# KiCad board SHVC-CPU-01.kicad_pcb (continued)
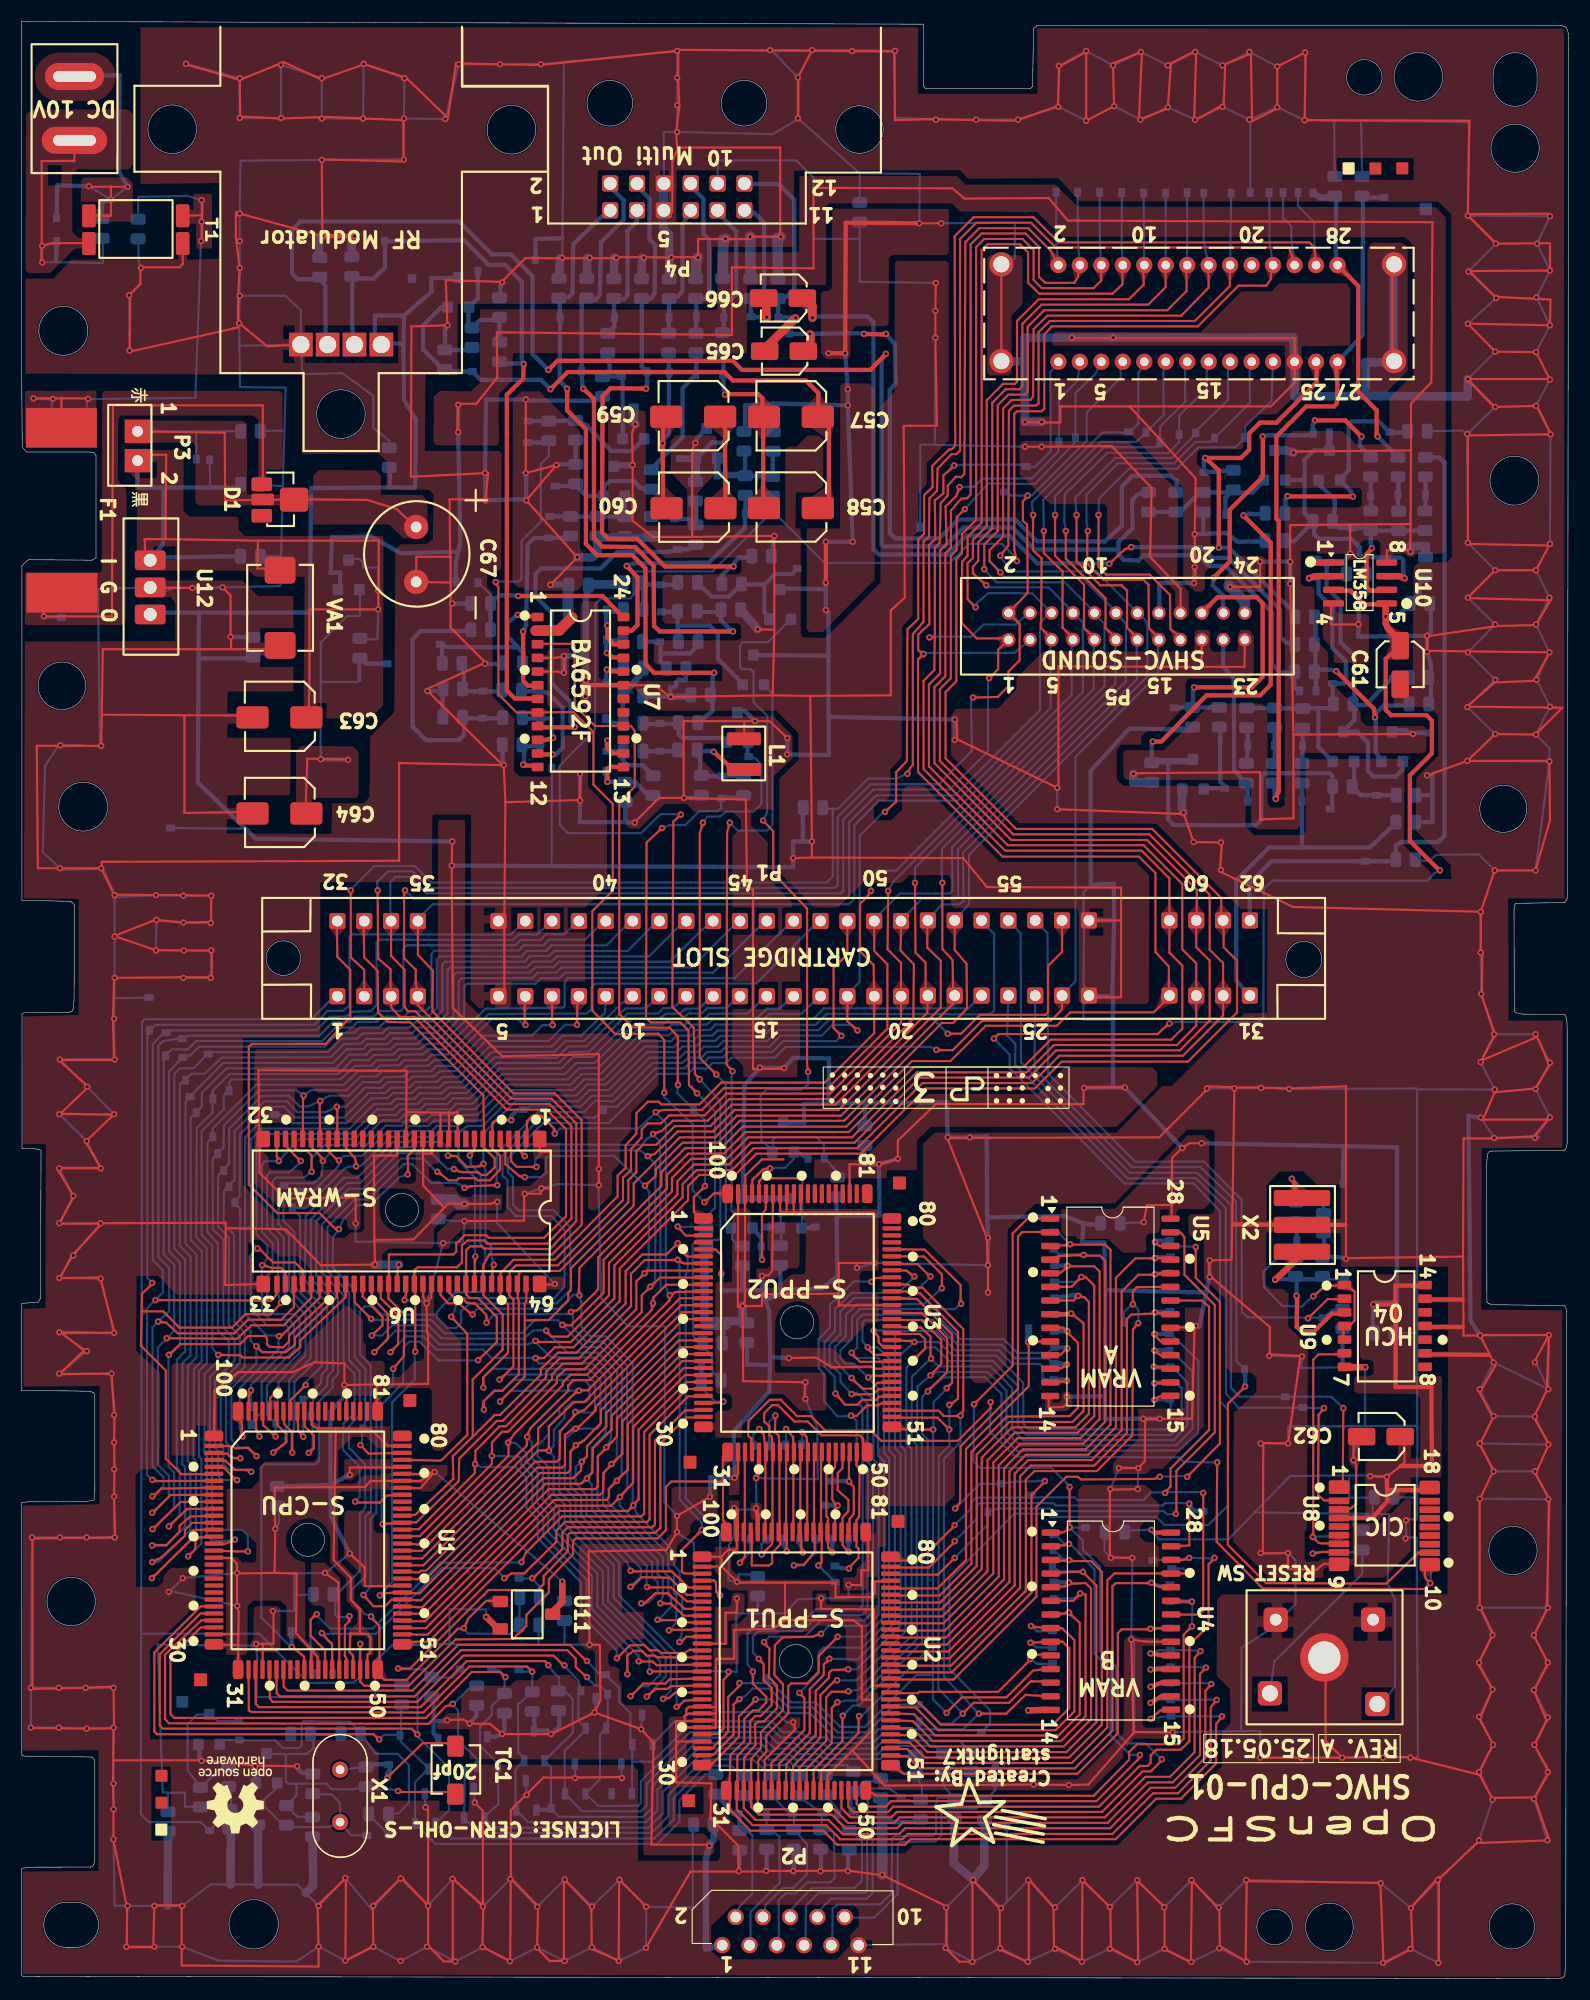
[diagram p0: board, top side]
## Routing (per net, layer and track width the routed paths; a pad name or vN(x,y) marks a point on that pad's centre or on a via; arc(x,y) is an arc through that point) (continued)
Net-(Q6-C): length 14.2
  Bottom w0.4: 61.13,125.96 R15.2 ; 61.13,125.96 R13.2 ; 61.13,125.96 64.12,125.96 64.88,125.21 64.88,122.84 67.21,120.51 67.21,120.27 ; TP35.1 61.02,127.25
Net-(Q8-C): length 14.3
  Bottom w0.4: 69.18,129.79 67.83,129.79 67.13,129.81 ; 69.18,129.79 69.2,129.76 69.2,127.23 69.44,126.98 69.44,126.78 Q8.1 ; 69.18,129.79 69.22,129.79 70.2,130.76 71.83,130.76 71.98,130.99 TP37.1 ; R18.1 65.87,128.64 64.29,128.64 R20.1
Net-(Q9-B): length 12.4
  Bottom w0.4: TP50.1 R22.1 R23.1 52.65,144.61 54.9,142.24 56.8,142.19 57.5,142.86 57.98,143.35
Net-(Q9-E): length 9.2
  Bottom w0.4: R24.1 54.78,149.61 54.78,150.14 54.75,151.07 ; 55.99,148.93 56,148.36 56,144.21 Q9.1 ; TP23.1 54.5,149.13
Net-(Q10-B): length 10.5
  Bottom w0.4: R30.1 R31.2 44.03,154.41 42.71,154.41 42.15,153.85 41.95,153.85 ; 42.5,158.44 42.53,156.44 42.08,155.99 41.53,155.38 41.63,155.29 41.63,154.02 C12.1
Net-(Q11-B): length 11.4
  Bottom w0.4: R39.2 67.4,142.1 67.4,139.95 R38.1 R100.1 69.98,139.86 69.98,142.14 C17.2
  Bottom w0.6: R38.1 67.36,139.98 64.83,139.98 TP46.1 64.81,141.55
Net-(Q12-B): length 8.7
  Bottom w0.4: 51.16,136.04 51.22,136.1 56.1,136.1 ; 56.19,136.18 56.17,138.03 ; TP62.1 R43.1
Net-(Q12-E): length 10.7
  Bottom w0.4: 58.5,138.56 57.6,138.79 57.08,139.41 54.83,139.41 54.33,139.04 Q12.1 52.65,138.04 52.3,138.34 R45.2 51.44,138.96 49.7,138.96 TP52.1
Net-(Q13-B): length 7
  Bottom w0.4: TP75.1 112.08,111.02 111.66,111.44 111.66,115.44 111.68,115.46 111.68,116.13 ; 111.58,110.81 110.83,110.81 110.12,110.82
Net-(Q15-B): length 6.5
  Bottom w0.4: 124.11,113.3 124.13,112.64 124.13,111.84 124.13,111.23 ; R59.2 124.75,110.16 TP72.1 C54.2
Net-(Q16-E): length 14.2
  Bottom w0.4: 112.87,138.32 114.68,138.36 Q16.1 ; R66.2 112.14,137.86 112.14,136.34 TP95.1 ; 107.78,136.45 107.87,136.45 109.78,138.36 R58.1 112.33,138.36 ; R67.2 R68.2 ; 115.82,139.5 115.48,139.31

## Copper pours and planes (outline as drawn; the poured copper is in the pictures)
+5V on Top: 76.68,37.36 77.58,37.36 77.8,37.62 77.8,38.09 77.9,38.23 78.59,38.91 78.62,41.4 79.52,41.41 79.6,41.51 79.59,42.66 79.52,42.74 78.66,42.73 78.58,42.79 78.63,47.5 79.58,47.51 79.86,47.83 79.86,49.34 80.16,49.58 86.69,49.56 86.96,49.29 86.94,44.97 85.94,43.97 80.65,43.98 80.56,43.86 80.55,40.27 80.48,40.17 79.87,40.17 79.78,39.98 79.79,37.53 79.7,37.39 78.87,37.38 78.77,37.29 78.77,36.37 78.56,36.14 76.6,36.11 76.55,36.26 76.54,37.28
+5V on Top: 98.38,84.86 105.31,84.84 105.79,84.36 105.79,84.33 105.8,83.08 102.01,79.29 84.69,79.29 83.45,78.05 83.42,77.97 83.39,77.97 83.42,75.37 83.35,75.25 80.7,75.25 80.62,75.19 80.6,74.55 80.56,74.49 73.91,74.51 73.81,74.58 73.84,76.19 73.89,76.27 78.32,76.25 78.45,76.3 84.41,82.3 84.49,82.36 94.64,82.35 97.17,84.87
+5V on Top: 108.63,78.51 110.13,78.51 110.63,78.01 110.65,72.12 110.13,71.63 107.82,71.63 107.71,71.53 107.57,71.33 107.58,70.96 106.89,70.93 106.88,71.61 106.08,71.61 106.02,69.59 105.78,69.36 105.03,69.36 104.77,69.12 104.78,67.81 104.53,67.56 102.58,67.56 101.23,68.86 98.38,68.81 98.18,69.11 97.28,69.11 96.88,69.46 96.88,71.66 101.83,71.66
+5V on Top: 124.68,65.56 129.88,65.56 129.88,64.81 129.93,64.71 130.48,64.71 130.48,64.21 129.78,64.21 129.73,56.06 132.23,56.06 132.33,55.96 132.28,46.76 132.18,46.66 129.53,46.66 129.43,46.56 129.43,45.96 130.53,45.96 130.53,45.16 128.98,45.16 126.43,42.61 122.88,42.61 122.88,43.11 125.08,43.11 125.18,43.21 125.18,47.96 125.63,48.36 128.03,48.26 128.23,48.61 128.23,50.26 129.48,50.26 129.43,48.51 129.58,48.41 130.13,48.41 130.28,48.51 130.28,54.01 129.93,54.41 124.43,54.46 124.13,54.71 124.13,55.81 124.33,56.06 125.58,56.06 125.94,56.34 125.95,57.33 125.68,57.61 124.93,57.61 124.68,57.91
+5V on Top: 28.23,38.71 29.73,37.21 29.75,29.6 29.49,29.61 29.48,32.06 29.43,32.11 28.85,32.11 28.75,32.2 28.75,32.58 28.73,32.66 28.28,33.11 28.28,33.21 28.27,34.38 28.09,34.59 27.94,34.68 27.33,34.7 27.23,34.72 27.05,34.83 26.98,34.98 26.98,38.66 27.04,38.71
+5V on Top: 21.87,34.66 23.68,34.69 23.88,34.66 24.02,34.52 24.12,34.39 24.13,30.7 23.87,30.38 22.65,30.39 22.56,30.21 22.57,29.62 22.32,29.62 22.32,30.23 22.27,30.35 22.17,30.38 21.86,30.39 21.6,30.64 21.33,30.78 21.34,31.25 21.62,31.66 21.63,34.47
+5V on Top: 38.93,107.86 41.28,107.86 41.33,107.81 41.31,91.05 44.42,87.96 54.58,87.96 55.03,87.46 59.13,87.46 59.33,87.26 59.34,83.19 56.78,80.61 56.77,78.89 55.75,77.76 55.72,75.86 55,75.02 55,73.03 53.55,71.54 52.98,71.51 52.78,71.76 52.73,79.91 49.73,82.91 45.88,82.96 38.78,90.06 38.81,107.77
+5V on Top: 75.06,34.82 79.79,34.76 79.78,27.45 79.84,27.38 79.95,27.37 80.16,27.37 80.18,27.1 80.08,27.06 79.85,27.05 79.75,26.97 79.7,26.95 79.27,26.95 79.17,26.98 79.09,27.1 79.05,27.2 79.06,33.29 78.33,34.05 78.26,34.06 74.07,34.06 73.97,34.12 73.96,35.74 74.03,35.84 74.12,35.87 74.85,35.86 74.93,35.83 74.97,35.78 74.95,34.91
+5V on Top: 72.18,70.41 72.38,70.26 72.43,70.21 72.48,70.06 72.48,66.41 72.38,66.26 72.23,66.11 71.23,66.11 69.93,64.86 68.44,64.86 68.48,66.06 68.53,66.11 69.48,66.11 69.73,66.36 69.73,67.66 69.48,67.91 69.5,70.35 69.53,70.41 69.78,70.41 69.88,70.51 70.08,70.51 70.18,70.41
+5V on Top: 30.28,43.56 32.51,43.54 32.73,43.41 32.8,43.31 32.8,41.84 32.89,41.67 33.1,41.5 34.05,41.49 34.32,41.29 34.31,36.81 34.34,36.7 34.47,36.66 34.71,36.67 34.73,36.4 31.86,36.42 31.65,36.6 31.59,36.72 31.61,37.67 30.1,39.18 30.04,39.34 30.06,43.29
+5V on Top: 66.08,45.01 66.79,45.01 66.83,45.04 66.87,45.08 66.87,45.1 66.87,47.5 66.84,47.62 66.85,48.32 66.56,48.32 66.56,47.91 66.4,47.76 66.28,47.66 66.19,47.59 66.14,47.57 65.87,47.56 65.89,45.11 65.91,45.06 65.95,45.03 65.98,45.01
+5V on Top: 70.88,58.71 75.5,58.72 76.83,57.43 77.33,57.43 77.53,57.19 77.79,57.13 78.06,57.08 79.19,57.08 79.49,56.91 80.56,56.91 80.58,56.66 79.48,56.65 79.2,56.79 78.03,56.79 77.59,56.69 75.3,56.69 75.09,56.91 75.02,56.94 70.82,56.96 70.74,57.04 70.75,58.65 70.78,58.71
+5V on Top: 30.08,48.36 34.29,48.34 34.33,48.29 34.35,47.8 34.41,47.73 34.67,47.74 34.69,47.43 34.3,47.43 34.26,47.39 31.81,47.39 30.79,46.41 30.69,46.36 30.59,46.36 30.41,46.37 30.12,46.54 30.05,46.63 30.08,48.31
+5V on Top: 52.38,128.21 53.58,128.21 53.78,127.96 53.78,121.16 54.03,120.86 54.08,120.81 54.73,120.81 54.98,120.66 55.43,120.66 55.53,120.71 57.07,120.68 57.23,120.78 57.23,120.16 54.83,120.16 54.73,118.01 54.63,117.81 54.53,117.76 53.08,117.81 53.03,117.81 52.03,118.81 52.08,127.91 52.08,127.96
+5V on Top: 93.43,143.16 103.13,143.11 107.68,138.56 107.73,138.46 107.68,130.21 107.73,130.11 108.73,129.11 108.73,126.86 108.53,126.66 107.58,126.66 107.48,126.76 107.48,129.16 104.18,132.46 104.18,133.66 104.13,133.76 103.98,133.91 103.88,133.96 101.43,133.96 101.33,134.01 101.13,134.21 101.13,136.96 101.03,137.11 100.88,137.26 95.83,137.26 92.98,140.06 92.98,142.86 93.23,143.11 93.38,143.16
+5V on Top: outline of 96 points within 13.98,48.67 40.97,64.34
+5V on Top: 40.93,71.23 44.84,71.23 45.11,71.51 45.14,73.51 45.37,73.76 47.37,73.77 48.65,75.02 48.69,75.12 48.69,76.22 48.61,76.33 47.75,76.32 47.67,76.4 47.67,77.81 50.1,77.82 50.17,77.77 50.13,71.27 50.13,71.22 48.37,69.45 43.85,69.46 43.52,69.72 41.06,69.74 39.98,68.72 39.96,68.22 39.91,68.11 39.81,68.02 39.74,67.97 39.64,67.93 39.11,67.92 38.98,67.97 38.88,68.08 38.79,68.15 38.73,68.23 38.72,68.48 38.74,69.45 40.53,71.23 40.94,71.24
+5V on Top: 71.7,24.34 71.9,24.34 72.1,24.31 72.28,24.29 72.45,24.3 72.52,24.27 72.54,24.24 72.55,23.43 70.15,21.07 69.74,21.07 69.78,22.42 71.64,24.33
+5V on Top: outline of 114 points within 21.57,69.71 42.57,88.53
+5V on Top: 48.93,121.96 48.98,122.01 49,122.05 49.03,122.61 48.95,122.74 48.33,122.74 48.33,123.21 48.93,123.21 49,123.27 49.03,123.62 49.28,123.86 50.98,123.86 51.03,123.76 51.03,118.61 50.93,118.41 50.78,118.31 50.68,118.26 49.33,118.26 49.23,118.31 49.03,118.51 48.98,118.61 48.98,121.41 48.93,121.46 48.33,121.46 48.33,121.96
+5V on Top: 64.81,34.6 65.84,34.59 66.08,34.8 66.12,34.91 66.11,35.48 66.14,35.63 66.24,35.79 66.37,35.88 66.6,35.94 66.78,35.92 66.92,35.87 67.01,35.86 67.23,35.85 67.33,35.82 67.36,35.65 67.36,34.09 67.34,34.05 66.6,33.34 66.02,33.34 65.91,33.33 65.87,33.28 65.83,33.25 65.83,31.1 65.78,31.05 64.17,31 64.17,31.27 64.53,31.27 64.59,31.35 64.58,34.49 64.65,34.59
+5V on Top: outline of 123 points within 54.63,90.73 105.05,159.91 ; 2 cut-outs
+5V on Top: outline of 135 points within 38.67,11.47 64.85,45.78
+5V on Bottom: outline of 89 points within 46.3,23.31 77.75,76.11
+5V on Bottom: 115.2,159.41 113.63,159.39 113.68,158.19 92.8,158.19 91.74,157.2 89.7,157.22 89.24,157.73 89.22,161.55 88.53,162.31 78.33,162.33 78.33,163.26 77.82,163.26 77.8,162.31 76.83,162.33 76.8,166.91 73.02,170.69 64.12,170.72 63.84,170.49 63.88,166.55 64.3,166.36 65.78,166.36 65.89,166.56 65.9,168.15 66.09,168.35 71.21,168.37 72.73,166.91 72.75,157.28 74.54,155.43 79.86,155.42 82.2,153.04 82.16,135.91 83.38,135.88 83.37,134.73 84.04,134.69 84,135.82 85.88,135.84 85.94,136.02 85.99,141.68 94.55,141.7 95.37,142.39 95.35,142.99 94.88,143.47 89.5,143.48 88.77,144.36 88.75,154.21 89.44,154.87 92.31,154.89 93.86,156.4 114.75,156.46 115.21,157 115.19,159.01
+5V on Bottom: 53.65,31.56 52.88,32.34 51.13,32.36 51.13,33.46 50.18,33.46 50.1,31.71 50,31.56 48.58,31.61 48.55,32.14 48.08,32.14 48.1,31.71 47.95,31.59 40.65,31.61 40.4,31.86 40.4,33.64 40.6,33.89 42.25,33.86 42.85,33.19 43.08,33.06 43.4,33.09 43.65,33.24 43.75,33.49 43.7,36.96 42.95,37.69 39.4,37.69 32,30.29 32,27.74 31.23,27.01 26.4,27.04 22.35,31.06 22.28,31.46 21.88,31.61 11.75,31.59 11.65,31.54 11.63,16.74 11.8,16.61 13.18,16.59 13.18,15.81 13.98,15.81 13.98,16.51 14.93,16.51 14.93,15.66 16.13,15.64 16.13,16.39 15.55,16.39 15.55,18.59 14.9,19.19 14.9,24.74 14.03,24.74 13.95,24.81 13.95,26.74 18.5,26.74 18.53,24.84 18.63,24.74 24.58,24.71 24.63,24.56 24.63,23.36 25.35,23.34 25.33,24.39 25.4,24.49 34.13,24.49 34.13,25.96 34.15,27.01 35.03,27.01 35,27.54 34.08,27.54 34.03,29.26 34.55,29.81 50.85,29.81 51.58,30.61 53.58,30.59 53.65,30.69
+5V on Bottom: outline of 107 points within 62.81,43.26 82.39,77.21
+5V on Bottom: 27.55,47.36 25.23,47.34 25.15,47.29 25.18,46.26 25.1,46.09 24.08,46.09 24.08,45.56 25.05,45.59 25.18,45.49 25.18,43.09 25.25,42.96 25.35,42.81 25.48,42.79 27.03,42.79 27.3,42.71 27.65,42.56 28.05,42.31 28.28,42.09 28.43,41.86 28.63,41.46 28.7,41.16 28.75,40.71 28.7,40.29 28.63,39.91 28.08,39.21 27.75,38.99 27.45,38.84 27.05,38.69 23.35,38.69 22.88,38.16 22.85,33.96 22.98,33.76 23.05,33.66 23.28,33.61 26.1,33.64 26.15,33.69 26.15,35.39 27.03,35.39 27.03,36.16 26.18,36.19 26.18,36.91 29.8,37.04 31,38.19 30.98,43.06 30.2,43.86 30.2,44.86 31,45.64 31,47.36 29.45,48.89 29.48,51.94 30.5,52.96 30.5,55.51 30.3,55.74 30.23,55.76 29.75,55.74 29.5,55.51 29.5,54.71 28.23,53.44 28.2,47.86 27.73,47.36
+5V on Bottom: 60.29,120.62 59.33,120.63 59.12,120.44 59.06,120.37 59.04,120.3 59.03,119.65 58.95,119.61 58.91,119.58 58.19,119.57 58.18,119.14 58.91,119.15 58.97,119.06 59.04,119 59.05,118.37 59.09,118.28 59.26,118.12 59.36,118.07 61.04,118.07 61.13,118.14 61.18,118.23 61.25,118.37 61.25,119.12 61.9,119.11 61.9,119.64 61.54,119.65 61.55,120.36 62.28,120.35 62.28,121.39 61.69,121.39 61.71,121.12 61.07,121.12 60.56,120.63 60.52,120.62 60.44,120.62
+5V on Bottom: 128.7,61.56 128.68,80.32 107.82,80.39 104.48,83.65 104.51,108.14 102.49,110.21 102.46,114.21 104.22,116 107.83,116 107.82,117.45 107.73,117.53 106.63,117.54 106.59,117.58 106.55,117.63 106.53,119.04 108.56,121.12 110.08,121.09 110.08,123.59 108.82,123.61 98.68,113.47 98.68,98.96 99.18,99.06 99.15,99.71 100.41,99.71 100.41,99 100.17,99 100.15,98.18 100.49,98.18 100.46,97.45 99.18,97.47 99.18,97.96 98.68,98.06 98.68,91.96 99.18,92.06 99.15,92.64 100.44,92.61 100.46,92.51 100.46,91.88 100.17,91.85 100.17,91.11 100.44,90.98 100.44,90.27 99.15,90.27 99.18,90.96 98.68,91.01 98.68,90.56 98.41,90.33 96.18,90.3 96.15,84.44 103.77,76.79 110.24,76.82 110.5,76.74 114.44,72.72 114.44,67.65 117.1,67.6 117.25,67.81 117.25,75.17 117.36,75.27 122.88,75.27 122.88,74.38 123.37,74.4 123.37,75.24 124.19,75.22 124.43,74.88 124.43,61.56 125.42,61.56 125.45,60.9 126.4,60.87 126.4,61.5 126.42,61.53 128.68,61.56
+5V on Bottom: 116.73,47.29 111.05,41.66 105.95,41.74 105.53,42.29 103.5,42.26 103.53,40.99 104.05,40.99 105,39.96 113.8,39.94 113.93,40.06 113.88,41.39 113.98,41.49 119.25,41.44 119.73,41.94 124.4,41.99 124.38,42.59 124.4,42.66 126.18,42.74 126.18,41.94 125.28,41.94 125.28,41.46 126.2,41.41 126.18,36.01 127.45,34.81 127.45,31.76 125.18,29.51 125.2,26.24 125.85,26.24 125.8,27.96 126.9,27.91 126.95,24.71 127.7,24.66 128.45,25.54 128.45,37.26 127.88,37.86 127.88,43.41 126.08,43.39 126.08,44.36 125.6,44.36 125.58,43.46 124.88,43.46 124.88,44.49 125.78,44.49 125.78,45.26 124.6,45.24 124.6,46.06 128.43,46.01 128.43,47.29
+5V on Bottom: 111.13,71.29 108.85,73.49 103.76,73.48 103.53,73.29 103.45,70.73 102.68,70.74 102.7,69.71 110.6,69.69 111.12,70.21
+5V on Bottom: 64.13,15.06 63.93,14.86 63.98,13.16 63.88,12.81 63.38,12.81 63.33,12.71 63.28,2.46 63.33,2.36 66.33,2.36 66.33,4.16 65.53,4.91 65.58,12.31 65.03,12.81 64.96,15.03
+5V on Bottom: 51.78,125.76 50.17,125.77 49.87,125.53 49.83,121.33 49.82,121.14 52.12,118.88 52.22,118.82 52.66,118.79 52.85,118.93 52.93,119.09 52.92,128.44 52.9,129.19 52.9,130.28 52.38,130.26 52.38,128.66 52.18,128.26 52.18,126.06 52.13,125.93 51.99,125.81 51.94,125.75
+5V on Bottom: outline of 96 points within 10.9,102.54 75,160.06
+5V on Bottom: 38.15,71.02 38.14,70.24 39.89,70.19 39.93,69.54 39.83,69.46 35.05,69.49 34.43,69.69 33.78,70.24 33.35,70.96 33.2,71.49 31.53,71.49 30.5,70.51 30.5,69.49 29.5,68.44 29.53,67.46 29.78,67.19 35.58,67.16 35.88,66.91 35.9,65.66 35.6,65.39 31.63,65.39 31.58,65.34 31.55,63.16 31.6,63.09 33.08,63.11 33.8,62.39 38.15,62.34 40.1,64.34 40.23,64.39 41.13,64.39 41.43,64.64 41.43,70.01 41.63,70.19 41.68,70.34 41.7,70.54 41.7,70.69 41.58,70.86 41.43,70.99 41.38,71.04 39.5,71.01
+9V on Top: 113.66,132.43 115.54,132.44 115.64,132.42 115.85,132.2 115.87,132.19 115.85,129.37 115.61,129.12 115.61,129.1 112.37,129.06 112.05,129.3 112.06,130.47 113.33,131.66 113.33,132.15 113.58,132.39 113.64,132.43
+9V on Top: outline of 161 points within 38.39,106.99 132.68,167.81
+9V on Bottom: 41.15,148.09 38.79,148.1 38.47,147.88 38.43,147.8 38.43,134.44 38.4,134.29 37.76,133.67 37.58,133.59 35.63,133.6 34.84,134.36 34.85,135.87 33.57,137.15 28.51,137.15 28.37,137.03 28.23,136.9 28.22,136.89 28.22,130.41 28.29,130.3 29.17,130.3 29.23,130.25 29.29,130.04 29.26,128.96 29.25,128.81 30.03,128.81 30.03,130.92 29.96,131.04 29.9,131.1 29.52,131.1 29.51,132.99 29.56,133.08 32.02,133.07 32.54,132.58 32.55,132.57 33.78,132.58 34.95,131.54 40.07,131.55 40.23,131.47 40.25,130.42 40.7,130.42 40.69,131.53 41.74,132.56 41.72,147.58 41.39,147.89 41.2,148.09
+9V on Bottom: 114.69,128.16 114.61,128.28 114.57,128.34 114.52,128.37 112.7,130.22 112.65,130.24 112.57,130.27 112.43,130.27 112.31,130.27 112.18,130.26 112.1,130.23 112.01,130.11 111.91,129.98 111.9,129.91 111.88,129.75 111.89,129.59 111.9,129.43 113.13,128.23 113.17,128.18 113.19,128.13 113.18,126.75 113.2,126.68 113.26,126.61 113.35,126.5 113.44,126.43 113.55,126.41 114.09,126.41 114.17,126.43 114.27,126.5 114.67,126.92 114.7,126.95
+9V on Bottom: 118.68,132.36 118.55,132.47 118.4,132.53 114.78,132.51 114.71,132.41 114.7,131.77 117,129.47 118.25,129.44 118.68,129.86 118.78,130.02 118.78,132.15 118.76,132.28
+9V on Bottom: 123.78,133.29 122.5,133.27 122.4,133.24 122.34,133.19 122.35,132.12 122.4,132.02 122.44,131.98 123.09,131.97 123.08,131.23 123.62,131.23 123.62,132.09 123.65,132.2 123.9,132.27 123.97,132.35 124.1,132.53 124.13,132.6 124.15,132.81 124.14,132.9 124.13,132.94 123.96,133.18 123.87,133.28 123.78,133.28
+9VF on Top: 9.83,145.06 20.68,145.01 21.01,144.76 21.01,138.3 21.07,138.16 27.02,138.14 27.15,138.23 27.16,139.91 27.67,140.44 33,140.41 33.47,139.92 33.47,138.26 33.58,138.14 37.33,138.11 37.81,137.61 37.83,134.63 37.36,134.07 35.58,134.07 34.29,135.32 34.24,135.38 27.23,135.37 27.16,135.45 27.15,137.02 27.05,137.15 26.79,137.15 16.5,137.15 16.3,137.31 16.2,137.44 16.2,137.45 16.2,142.68 15.94,143 11.93,142.99 11.84,142.87 9.99,142.89 9.82,143.09 9.81,145.06
+9VF on Bottom: 18.54,145.01 11.69,145.01 11.63,142.96 18.78,142.96 19.48,143.91 19.49,144.14
+9VS on Top: 15.13,142.06 15.08,136.71 15.23,136.51 15.58,136.16 15.68,136.11 19.98,136.11 20.18,135.96 20.23,135.91 20.23,134.86 20.78,134.31 33.68,134.31 33.73,134.26 33.68,118.61 33.68,118.51 32.48,117.31 28.48,117.31 28.38,117.36 28.43,118.51 28.38,118.76 27.63,118.76 27.58,118.71 27.58,117.36 26.28,117.36 26.38,130.41 26.33,130.51 21.88,130.51 21.78,130.56 21.73,130.56 21.23,131.06 10.73,131.06 10.78,139.46 9.83,140.41 9.88,142.31 14.83,142.31 ; 2 cut-outs
+9VS on Bottom: 33.48,132.06 32.4,132.07 32.32,132.08 32.3,132.1 31.87,132.51 31.83,132.55 31.75,132.58 30.23,132.6 30.23,131.71 30.9,131.7 31.06,131.79 31.19,131.79 31.27,131.73 31.28,131.71 31.29,131.65 31.3,130.93 31.3,130.89 31.33,130.85 31.37,130.81 31.42,130.76 32.54,130.77 32.56,130.73 32.56,125.57 32.54,125.41 32.51,125.28 32.47,125.2 32.45,125.18 31.84,125.18 31.84,124.44 34.02,124.42 34.09,124.44 34.16,124.49 34.3,124.61 34.6,124.94 34.62,124.96 34.61,131 34.56,131.1 34.43,131.22 33.58,132.06
+9VS on Bottom: 14.83,142.24 14.95,142.11 14.98,140.49 15.45,139.94 17.2,139.96 17.3,140.06 17.3,141.74 17.75,141.74 17.78,140.01 17.88,139.94 19.2,139.96 19.3,139.84 19.33,139.21 19.55,139.21 19.93,139.19 19.93,138.39 19.33,138.39 19.33,132.81 20.08,132.81 20.08,132.06 14.2,132.04 13.35,130.96 10.73,130.91 9.65,132.09 9.65,140.46 11.95,140.46 11.95,140.19 12.35,140.19 12.45,140.29 12.43,141.36 12.4,141.39 12.28,141.46 11.83,141.44 11.83,142.24 14.83,142.26 ; 1 cut-out
+10V on Top: 0.38,147.81 6.9,147.83 6.98,147.71 6.98,142.91 0.33,142.91 0.33,147.81
+10V on Top: 16.08,166.16 17.73,166.15 17.75,166.11 17.75,161.15 17.69,161.06 16.28,161.05 16.26,163.22 16.22,163.37 15.39,163.38 15.39,164.67 16,164.67 16.01,166.16
+10V on Bottom: 17.35,166.64 10.96,166.64 10.4,166.21 10.38,163.91 11.13,163.91 11.15,164.86 11.38,165.06 11.95,165.06 12.2,164.74 12.18,158.21 11.45,157.49 11.45,147.99 11.33,147.84 0.53,147.84 0.53,142.71 0.75,142.49 6.53,142.49 6.85,142.74 6.83,145.49 7.1,145.79 17,145.76 18.08,146.84 17.98,166.19 17.53,166.64 17.18,166.66
+10VF on Top: 7.33,130.91 7.48,131.01 7.53,147.61 7.83,147.81 24.08,147.81 24.33,147.56 24.33,140.66 24.08,140.46 22.83,140.46 22.83,139.46 22.08,139.46 22.08,145.06 21.58,145.51 9.33,145.51 9.03,145.31 8.98,139.46 9.78,138.61 9.73,126.51 9.33,126.01 0.33,126.01 0.33,130.91
GND on Top: outline of 204 points within 18.74,29.61 34.94,51.76
GND on Top: 37.33,47.81 39.68,47.81 39.68,46.86 38.23,45.31 37.23,45.31 37.18,45.46 35.04,45.46 35.04,45.78 37.18,45.76 37.18,46.11 35.08,46.11 35.08,46.46 37.13,46.46 37.23,46.56 37.23,46.76 35.08,46.76 35.08,47.07 37.19,47.09 37.18,47.71
GND on Top: 109.33,129.11 109.98,129.11 110.23,129.36 110.23,130.91 110.73,131.36 110.78,131.46 110.78,139.76 109.48,141.06 109.53,142.06 109.63,142.21 109.78,142.36 113.53,142.36 113.68,142.41 113.78,142.51 113.83,142.61 113.83,144.31 113.93,144.46 115.13,145.61 116.88,145.61 119.18,147.91 119.23,151.96 123.78,152.01 123.78,157.31 123.38,157.81 117.13,157.81 116.48,157.06 113.63,157.06 109.83,153.26 96.33,153.31 96.08,153.11 96.03,153.06 96.03,152.16 96.13,152.01 117.63,152.01 117.68,151.91 117.73,149.26 117.63,149.11 117.43,148.91 95.88,148.96 95.78,148.91 95.78,145.46 95.73,145.41 93.08,145.41 92.98,145.31 92.98,143.76 93.08,143.66 103.43,143.66 108.23,138.76 108.23,130.16
GND on Top: 86.3,164.75 86.38,164.7 86.38,160.74 86.15,160.45 81.15,160.46 81.06,160.42 80.97,160.34 80.91,160.3 80.82,160.19 80.79,160.13 80.78,154.12 80.77,154.07 80.68,153.98 80.57,153.88 80.51,153.84 77.72,153.82 77.26,153.36 77.22,153.25 77.22,151.66 77.23,151.55 77.23,151.33 77.23,151.18 77.16,150.98 77.06,150.86 76.91,150.78 76.82,150.74 76.68,150.73 76.5,150.76 76.29,150.79 75.59,150.78 75.29,150.75 75.01,150.76 74.94,150.78 74.46,151.33 74.47,156.71 74.49,156.91 74.73,157.13 75.17,157.13 75.36,157.24 75.46,157.36 75.49,157.45 75.51,164.48 75.56,164.57 75.73,164.74 75.8,164.77
GND on Top: 68.21,44.29 68.77,44.28 68.87,44.24 68.92,44.15 68.95,44.03 68.95,43.96 68.91,42.83 68.85,42.72 68.78,42.62 68.78,42.15 68.38,42.15 68.38,42.66 68.29,42.73 68.23,42.75 67.97,42.75 67.92,42.79 67.92,43.36 67.9,43.41 67.9,44.2 67.93,44.24 67.96,44.27 68.03,44.29 68.16,44.29
GND on Top: outline of 92 points within 0.08,0.16 143.73,181.66 ; 30 cut-outs
GND on Top: 104.68,45.96 105.23,45.46 105.23,44.91 105.98,44.16 105.98,43.21 105.58,42.66 104.73,42.66 104.23,42.11 104.18,41.11 104.73,40.61 105.43,40.61 105.98,40.16 105.98,38.31 100.93,38.31 99.98,39.36 98.63,39.36 98.38,39.61 98.43,45.51 98.88,45.96
GND on Top: 76.53,148.51 78.97,148.48 79.49,147.97 79.47,130.23 74.64,125.36 73.41,125.33 73.14,125.6 73.15,134.94 73.22,135.03 76.11,134.99 76.24,135.14 76.26,148.3 76.5,148.5
GND on Top: 46.53,147.76 48.28,147.76 52.03,144.01 52.03,133.11 52.28,132.76 52.33,132.66 52.28,129.71 51.83,129.21 46.98,129.21 46.73,129.51 46.23,129.51 45.73,130.01 45.78,147.01
GND on Top: 104.03,50.26 101.68,48.01 101.68,46.96 104.78,46.96 105.23,47.46 106.33,47.46 110.13,51.41 110.13,62.21 109.88,62.46 108.38,62.46 108.38,60.81 107.78,60.81 107.78,60.26 108.28,60.26 108.38,60.16 108.33,53.06 104.03,53.06
GND on Top: 124.23,37.31 126.93,37.31 129.43,39.81 129.43,44.61 128.88,44.61 126.69,42.38 123.98,42.41 124.03,39.06 122.78,39.06 122.78,38.51 124.13,38.51 124.13,37.41
GND on Top: outline of 279 points within 63.93,17.48 107.76,40.76
GND on Top: outline of 131 points within 64.19,50.34 80.6,71.71
GND on Top: 66.05,44.5 66.81,44.51 66.84,44.49 66.86,44.47 66.88,44.43 66.88,43.08 66.82,42.86 66.82,42.22 66.43,42.22 66.43,42.68 65.95,42.97 65.9,43.01 65.87,43.07 65.9,44.43 65.93,44.47 65.97,44.49 66,44.5
GND on Top: 48.98,64.86 49.33,65.27 49.44,65.35 50.4,65.35 50.63,65.13 50.64,64.39 50.57,64.26 50.45,64.16 50.38,64.13 48.93,64.12 48.81,64.19 48.81,64.86
GND on Top: 122.78,127.04 125.25,127.05 125.45,126.86 125.52,126.75 125.52,122.56 125.48,122.47 122.31,122.47 122.23,122.57 122.23,123.74 121.22,124.77 121.21,127.53 121.25,127.85 122.48,127.85 122.47,127.35 122.57,127.23 122.74,127.06 122.78,127.06
GND on Top: 128.63,161.61 129.13,161.16 129.13,149.66 127.13,147.66 125.83,147.66 125.33,148.16 125.38,161.11 125.83,161.61
GND on Top: 71.83,115.71 71.83,113.61 70.03,111.91 70.08,108.81 68.33,108.86 67.98,108.61 67.98,107.36 69.53,105.76 69.48,102.56 71.78,100.16 71.78,99.71 70.93,99.71 70.83,99.61 70.88,97.11 72.53,97.11 72.53,92.81 70.88,92.81 70.83,92.71 70.83,90.31 70.93,90.21 72.53,90.21 72.53,85.76 72.28,85.41 72.28,83.96 72.18,83.91 67.33,83.91 67.23,84.01 67.23,84.91 67.18,85.01 66.18,86.01 66.23,90.11 66.28,90.26 67.83,90.26 67.98,90.41 67.98,92.81 66.33,92.81 66.23,92.91 66.23,97.11 66.28,97.16 67.88,97.16 67.98,97.21 68.03,99.56 67.93,99.71 66.28,99.71 66.23,99.86 66.23,106.31 67.03,107.11 67.03,107.81 66.28,108.61 62.68,108.61 61.93,109.36 59.93,109.36 57.68,107.16 57.43,107.06 56.63,107.06 56.33,107.41 56.38,109.41 57.63,110.71 57.63,117.21 57.88,117.51 70.03,117.51 ; 3 cut-outs
GND on Top: 90.28,160.46 92.98,160.43 93.13,160.31 93.19,160.22 93.24,160.16 93.23,155.87 92.27,154.87 92.24,154.82 92.22,154.77 92.21,149.52 92.17,149.45 92.08,149.35 92.02,149.31 91.94,149.25 90.23,149.24 90.15,149.31 90.07,149.37 89.95,149.49 89.94,149.53 89.97,160.16 90.07,160.29
GND on Top: 96.23,53.61 96.6,53.61 96.69,53.67 96.78,53.75 96.86,53.86 96.86,53.88 96.86,54.26 96.87,54.34 96.91,54.42 96.97,54.52 97.12,54.6 97.31,54.64 97.36,54.64 97.47,54.64 97.55,54.63 97.69,54.58 97.81,54.45 97.87,54.37 97.9,54.31 97.9,54.09 97.89,53.41 97.88,53.33 97.84,53.27 97.41,52.87 97.38,52.84 97.34,52.83 97.3,52.81 95.46,52.81 95.43,52.83 95.38,52.89 95.35,52.96 95.35,53.83 95.29,53.89 95.29,54.13 96.12,54.13 96.12,53.87 96.09,53.83 96.09,53.67 96.14,53.61
GND on Bottom: 54.73,110.46 53.54,110.47 53.46,110.5 53.44,110.54 53.42,114.55 53.09,114.57 52.63,114.55 52.37,114.37 50.71,112.8 50.65,112.76 50.63,107.72 50.67,107.62 50.75,107.55 51.15,107.14 51.22,107.11 57.21,107.1 57.38,107.11 57.63,107.13 58.36,108.03 58.38,108.13 58.36,108.24 58.33,108.38 58.17,108.41 56.77,108.4 56.71,108.43 56.65,108.52 56.65,109.36 55.9,109.36 55.9,108.53 55.88,108.49 55.82,108.47 55.77,108.42 55.13,108.42 55.02,108.43 54.97,108.47 54.96,108.5 54.96,110.38 54.9,110.45 54.82,110.47 54.68,110.46
GND on Bottom: outline of 153 points within 66.69,51.61 111.13,86.26
GND on Bottom: 50.1,35.71 50.1,36.46 46.58,39.74 35.55,39.76 35.05,40.34 35.1,53.44 37.13,55.51 37.13,56.76 37.38,56.99 41.7,56.99 42.2,56.51 42.2,52.39 42.25,52.24 42.45,52.16 43.53,52.16 44.25,52.91 45.08,52.96 46.3,54.19 49.58,54.16 49.58,52.69 48,51.16 46.55,51.21 46.03,50.66 44.73,50.69 43.43,49.36 42.18,49.36 41.43,48.59 41.45,47.34 42.03,46.81 46.05,46.81 46.55,46.31 46.5,43.64 47.55,42.51 47.55,40.76 51.08,37.16 51.08,35.71
